# Altium PCB roach2.PcbDoc (part 31 of 39) (continued)
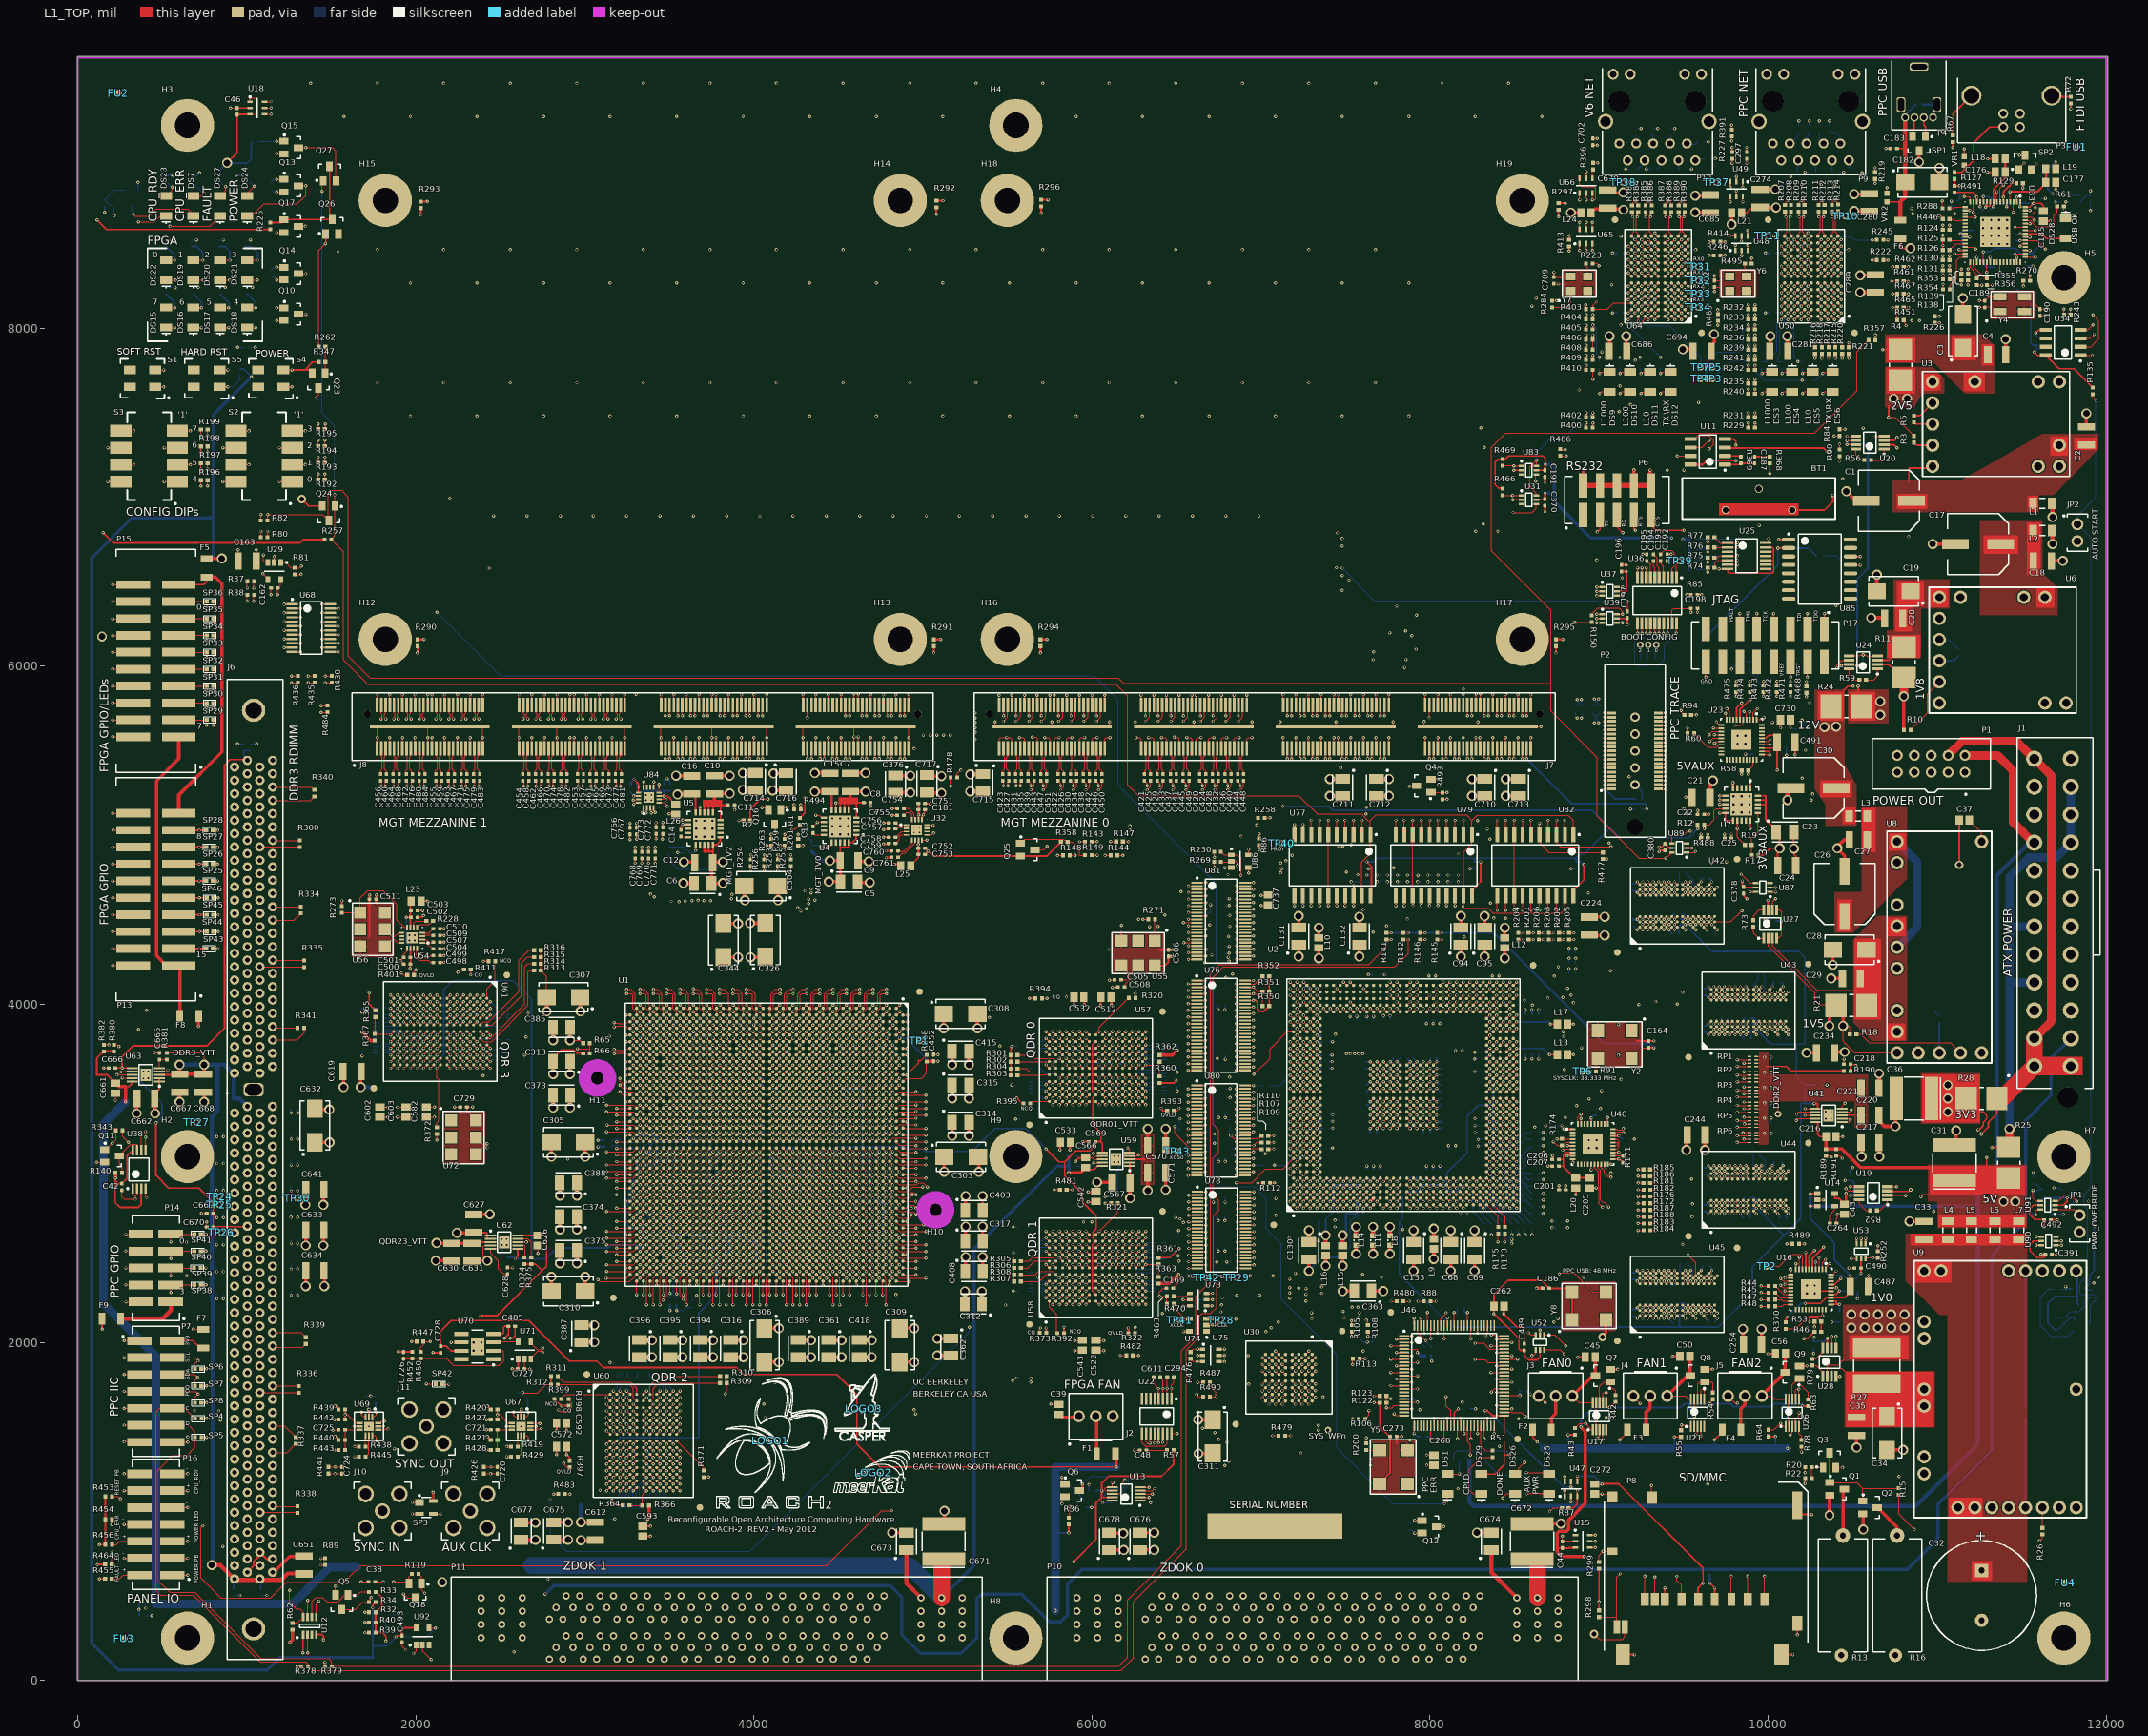
[diagram p0: L1_TOP view]
## Nets (pads, with @x,y where several pads share a name; then routed paths per layer and width w, separated by ;. In a path a pad name is that pad's centre, name@x,y a point inside that pad or via, vN(x,y) a via of type N, cw(c..) or ccw(c..) an arc to the next point about the centre after c; other vN are vias at no path point) (continued)
QDR3.Q0: U1.AY27 U61.P11 | length 2015.4
  L1_TOP w5: v1(1889.76,3622.05) U61.P11@1909.45,3641.73 ; v1(3325.87,2931.53) U1.AY27@3345.56,2951.22
  L9_R w3.8: v1(1889.76,3622.05) 1872.99,3605.28 1872.99,3278.99 2224.53,2927.45 3258.53,2927.45 3270.05,2915.93 3310.27,2915.93 v1(3325.87,2931.53)
QDR3.Q1: U1.AV26 U61.M10 | length 2056.2
  L1_TOP w5: v1(1968.5,3661.42) U61.M10@1988.19,3681.1 ; v1(3404.61,2970.9) U1.AV26@3424.3,2990.59
  L9_R w3.8: v1(1968.5,3661.42) 1947.99,3640.91 1947.99,3273.99 2259.55,2962.43 3115.43,2962.43 3122.56,2955.3 3135.49,2955.3 3147,2966.82 3194.54,2966.82 3206.06,2955.3 3389.01,2955.3 v1(3404.61,2970.9)
QDR3.Q2: U1.AW26 U61.L11 | length 1903.9
  L1_TOP w5: v1(2007.87,3622.05) U61.L11@2027.56,3641.73 ; v1(3365.24,2970.9) U1.AW26@3384.93,2990.59
  L9_R w3.8: v1(2007.87,3622.05) 2006.99,3621.16 2006.99,3262.99 2283.48,2986.5 3170.1,2986.5 3181.62,2974.99 3194.54,2974.99 3206.05,2986.5 3349.64,2986.5 v1(3365.24,2970.9)
QDR3.Q3: U1.BA25 U61.K11 | length 1756.5
  L1_TOP w5: v1(2047.24,3622.05) U61.K11@2066.93,3641.73 ; v2(3129.02,3010.27) 3286.5,3010.27 U1.BA25@3306.19,3029.96
  L9_R w3.8: v1(2047.24,3622.05) 2047.24,3287.74 2109.99,3224.99 2126.99,3224.99 2126.99,3223.99 2141.99,3208.99 2141.99,3188.99 2313.99,3016.99 3096.99,3016.99 3103.71,3010.27 v2(3129.02,3010.27)
QDR3.Q4: U1.AT25 U61.J10 | length 1957.1
  L1_TOP w5: v1(2086.61,3661.42) U61.J10@2106.3,3681.1 ; v1(3483.35,3010.27) U1.AT25@3503.04,3029.96
  L9_R w3.8: v1(2086.61,3661.42) 2106.99,3641.04 2106.99,3582.99 2128.99,3560.99 2128.99,3238.99 2333.99,3033.99 3102.99,3033.99 3111.11,3025.87 3210.11,3025.87 3224.99,3010.99 3278.99,3010.99 3293.87,3025.87 3450.44,3025.87 3466.04,3010.27 v1(3483.35,3010.27)
QDR3.Q5: U1.AT24 U61.F11 | length 1732.5
  L1_TOP w5: U61.F11@2224.41,3641.73 v1(2244.1,3622.05) ; v1(3483.35,3049.64) U1.AT24@3503.04,3069.33
  L9_R w3.8: v1(2244.1,3622.05) 2258.99,3607.15 2258.99,3264.99 2320.99,3202.99 2432.99,3202.99 2502.21,3133.77 3038.42,3133.77 3087.26,3084.93 3200.05,3084.93 3211.57,3073.41 3459.58,3073.41 v1(3483.35,3049.64)
QDR3.Q6: U1.AP23 U61.E11 | length 1699.5
  L1_TOP w5: U61.E11@2263.78,3641.73 v1(2283.47,3622.05) ; v1(3562.09,3089.01) U1.AP23@3581.78,3108.7
  L9_R w3.8: v1(2283.47,3622.05) 2283.47,3385.52 2506.99,3161.99 3038.99,3161.99 3061.99,3138.99 3097.99,3138.99 3104.99,3145.99 3155.99,3145.99 3174.99,3126.99 3215.99,3126.99 3238.37,3104.61 3538.32,3104.61 3553.92,3089.01 v1(3562.09,3089.01)
QDR3.Q7: U1.AM23 U61.C10 | length 1797
  L1_TOP w5: U61.C10@2342.52,3681.1 v1(2362.21,3661.42) ; v1(3640.83,3089.01) U1.AM23@3660.52,3108.7
  L9_R w3.8: v1(2362.21,3661.42) 2346.61,3645.82 2346.61,3579.38 2346.99,3578.99 2346.99,3404.74 2352.28,3399.45 2352.28,3386.53 2346.99,3381.24 2346.99,3378.99 2517.18,3208.81 3070.39,3208.81 3071.63,3210.06 3084.56,3210.06 3091.57,3203.04 3200.94,3203.04 3229.78,3174.2 3611.78,3174.2 3622.99,3162.99 3622.99,3106.86 v1(3640.83,3089.01)
QDR3.Q8: U1.AK24 U61.B11 | length 1841.6
  L1_TOP w5: U61.B11@2381.89,3641.73 v1(2401.58,3622.05) ; v1(3719.57,3049.64) U1.AK24@3739.26,3069.33
  L9_R w3.8: v1(2401.58,3622.05) 2418.99,3604.63 2418.99,3366.99 2542.99,3242.99 3096.99,3242.99 3109.09,3230.9 3136.9,3230.9 3148.41,3242.41 3272.57,3242.41 3292.26,3222.73 3686.67,3222.73 3695.8,3213.59 3695.8,3073.41 v1(3719.57,3049.64)
QDR3.Q9: U1.AU27 U61.P9 | length 2249.1
  L1_TOP w5: v1(1889.76,3700.79) U61.P9@1909.45,3720.47 ; v1(3443.98,2931.53) U1.AU27@3463.67,2951.22
  L9_R w3.8: v1(1889.76,3700.79) 1868.99,3680.02 1868.99,3614.99 1862.99,3608.99 1862.99,3267.99 2216.99,2913.99 3160.99,2913.99 3178.73,2896.25 3194.54,2896.25 3206.05,2907.76 3420.21,2907.76 v1(3443.98,2931.53)
QDR3.Q10: U1.AP26 U61.N9 | length 2296.6
  L1_TOP w5: v1(1929.13,3700.79) U61.N9@1948.82,3720.47 ; v1(3562.09,2970.9) U1.AP26@3581.78,2990.59
  L9_R w3.8: v1(1929.13,3700.79) 1907.99,3679.65 1907.99,3279.99 2240.99,2946.99 3169.99,2946.99 3181.36,2935.62 3205.62,2935.62 3217.13,2947.13 3469.13,2947.13 3477.3,2955.3 3529.18,2955.3 3544.78,2970.9 v1(3562.09,2970.9)
QDR3.Q11: U1.BA26 U61.L10 | length 1886.2
  L1_TOP w5: v1(2007.87,3661.42) U61.L10@2027.56,3681.1 ; v2(3129.02,2970.9) 3286.5,2970.9 U1.BA26@3306.19,2990.59
  L9_R w3.8: v1(2007.87,3661.42) 1986.99,3640.53 1986.99,3257.99 2267.99,2976.99 3093.99,2976.99 3100.08,2970.9 v2(3129.02,2970.9)
QDR3.Q12: U1.AL25 U61.K9 | length 2277.2
  L1_TOP w5: v1(2047.24,3700.79) U61.K9@2066.93,3720.47 ; v1(3680.2,3010.27) U1.AL25@3699.89,3029.96
  L9_R w3.8: v1(2047.24,3700.79) 2025.99,3679.53 2025.99,3273.99 2295.99,3003.99 3088.99,3003.99 3098.31,2994.67 3170.1,2994.67 3181.62,3006.19 3194.54,3006.19 3206.06,2994.67 3664.6,2994.67 v1(3680.2,3010.27)
QDR3.Q13: U1.AP25 U61.G9 | length 2025.9
  L1_TOP w5: U61.G9@2185.04,3720.47 v1(2204.73,3700.79) ; v1(3562.09,3010.27) U1.AP25@3581.78,3029.96
  L9_R w3.8: 2179.99,3588.99 2179.99,3585.99 ; v1(2204.73,3700.79) 2179.99,3676.05 2179.99,3585.99 ; v1(3562.09,3010.27) 3538.32,3034.04 3261.11,3034.04 3249.6,3045.56 3147,3045.56 3135.49,3034.04 3122.56,3034.04 3107.61,3048.99 2354.99,3048.99 2179.99,3223.99 2179.99,3585.99
QDR3.Q14: U1.AK22 U61.F10 | length 1855.5
  L1_TOP w5: U61.F10@2224.41,3681.1 v1(2244.1,3661.42) ; v1(3719.57,3128.38) U1.AK22@3739.26,3148.07
  L9_R w3.8: v1(2244.1,3661.42) 2264.68,3682 2286.74,3682 2307.24,3702.49 2307.24,3707.25 2316.37,3716.39 2329.3,3716.39 2344,3701.68 2344,3690 2352,3682 2444,3682 2844,3282 2956,3282 2975.9,3262.1 3135.49,3262.1 3147,3250.58 3238.79,3250.58 3246,3257.79 3268.22,3257.79 3295.12,3230.9 3689.53,3230.9 3703.97,3216.45 3703.97,3186.03 3719.57,3170.43 v1(3719.57,3128.38)
QDR3.Q15: U1.AJ22 U61.E9 | length 2007.7
  L1_TOP w5: U61.E9@2263.78,3720.47 v1(2283.47,3700.79) ; v1(3758.94,3128.38) U1.AJ22@3778.63,3148.07
  L9_R w3.8: v1(2283.47,3700.79) 2306.87,3724.19 2711.8,3724.19 2731.99,3703.99 2731.99,3546.99 2776.99,3501.99 2801.99,3501.99 2848.42,3455.56 2848.42,3353.56 2887.99,3313.99 3053.99,3313.99 3097.44,3270.54 3139.39,3270.54 3150.63,3281.78 3194.54,3281.78 3206.05,3270.27 3717.87,3270.27 3738.99,3249.14 3738.99,3148.34 v1(3758.94,3128.38)
QDR3.Q16: U1.AN23 U61.D9 | length 1811.4
  L1_TOP w5: U61.D9@2303.15,3720.47 v1(2322.84,3700.79) ; v1(3601.46,3089.01) U1.AN23@3621.15,3108.7
  L9_R w3.8: v1(2322.84,3700.79) 2303.99,3681.94 2303.99,3394.99 2510.99,3187.99 3045.99,3187.99 3056.99,3176.99 3106.99,3176.99 3118.99,3164.99 3202.99,3164.99 3211.99,3155.99 3564.99,3155.99 3582.99,3137.99 3582.99,3107.49 v1(3601.46,3089.01)
QDR3.Q17: U1.AM24 U61.B10 | length 1845.7
  L1_TOP w5: U61.B10@2381.89,3681.1 v1(2401.58,3661.42) ; v1(3640.83,3049.64) U1.AM24@3660.52,3069.33
  L9_R w3.8: v1(2401.58,3661.42) 2381.99,3641.83 2381.99,3374.99 2536.98,3220 3090.99,3220 3100.15,3210.84 3216.14,3210.84 3244.98,3182 3652.52,3182 3661.99,3172.53 3661.99,3070.8 v1(3640.83,3049.64)
QDR3.Q18: U1.AT17 U61.B2 | length 1764.4
  L1_TOP w5: U61.B2@2381.89,3996.06 v1(2401.58,4015.75) ; v1(3483.35,3364.61) U1.AT17@3503.04,3344.92
  L9_R w3.8: v1(2401.58,4015.75) 2417.18,4031.35 2523.64,4031.35 2531.99,4022.99 2988.99,4022.99 3045.99,3965.99 3045.99,3731.99 2988.2,3674.2 2988.2,3517.8 3030,3476 3137.98,3476 3165.99,3447.99 3260.16,3447.99 3280.41,3427.75 3420.21,3427.75 v1(3483.35,3364.61)
QDR3.Q19: U1.AV18 U61.D3 | length 1707.2
  L1_TOP w5: U61.D3@2303.15,3956.69 v1(2322.84,3976.38) ; v1(3404.61,3325.24) U1.AV18@3424.3,3305.55
  L9_R w3.8: v1(2322.84,3976.38) 2322.84,3974.15 2336.21,3960.78 2448.78,3960.78 2476.99,3988.99 2688.99,3988.99 2754.99,3922.99 2930.99,3922.99 2972.99,3880.99 2972.99,3713.43 2947.99,3688.43 2947.99,3603.52 2948.42,3603.09 2948.42,3573.32 2947.99,3572.89 2947.99,3499.99 3002.99,3444.99 3112.99,3444.99 3143.99,3413.99 3206.99,3413.99 3240.41,3380.58 3377.41,3380.58 3386.99,3370.99 3386.99,3342.86 v1(3404.61,3325.24)
QDR3.Q20: U1.AR19 U61.E3 | length 1921.9
  L1_TOP w5: U61.E3@2263.78,3956.69 v1(2283.47,3976.38) ; v1(3522.72,3285.87) U1.AR19@3542.41,3266.18
  L9_R w3.8: v1(2283.47,3976.38) 2307.24,3976.38 2307.24,3969.92 2316.37,3960.78 2325.18,3960.78 2332.98,3952.98 2452.01,3952.98 2475.41,3976.38 2682.61,3976.38 2749.99,3908.99 2919.99,3908.99 2948.42,3880.56 2948.42,3765.42 2877.56,3694.56 2877.56,3551.42 2997.99,3430.99 3091.99,3430.99 3113.42,3409.56 3113.42,3394.56 3119.61,3388.38 3136.38,3388.38 3147.89,3399.89 3203.68,3399.89 3254.56,3349.01 3369.81,3349.01 3389.01,3329.81 3389.01,3318.77 3398.15,3309.64 3498.95,3309.64 v1(3522.72,3285.87)
QDR3.Q21: U1.AR18 U61.F2 | length 1904.5
  L1_TOP w5: U61.F2@2224.41,3996.06 v1(2244.1,4015.75) ; v1(3522.72,3325.24) 3542.09,3305.87 U1.AR18@3542.41,3305.55
  L9_R w3.8: v1(2244.1,4015.75) 2267.5,3992.35 2469.32,3992.35 2473.96,3996.99 2878.99,3996.99 2997.99,3877.99 2997.99,3722.99 2962.99,3687.99 2962.99,3505.99 3009.99,3458.99 3116.99,3458.99 3147.99,3427.99 3214.99,3427.99 3254.61,3388.38 3409.2,3388.38 3420.58,3376.99 3420.58,3354.91 3434.29,3341.21 3506.75,3341.21 v1(3522.72,3325.24)
QDR3.Q22: U1.AW18 U61.G3 | length 1725.3
  L1_TOP w5: U61.G3@2185.04,3956.69 v1(2204.73,3976.38) ; v1(3365.24,3325.24) 3384.61,3305.87 U1.AW18@3384.93,3305.55
  L9_R w3.8: v1(2204.73,3976.38) 2222.99,3958.11 2222.99,3924.99 2233.99,3913.99 2554.99,3913.99 ; 2551.99,3913.99 2554.99,3913.99 ; v1(3365.24,3325.24) 3349.49,3340.99 3245.99,3340.99 3218.29,3368.69 3147,3368.69 3135.49,3380.21 3108.78,3380.21 3069.99,3418.99 2985.99,3418.99 2865.99,3538.99 2865.99,3709.99 2877.56,3721.56 2877.56,3881.42 2863.99,3894.99 2745.99,3894.99 2726.99,3913.99 2554.99,3913.99
QDR3.Q23: U1.AV19 U61.K3 | length 1902.4
  L1_TOP w5: v1(2047.24,3976.38) U61.K3@2066.93,3956.69 ; v1(3404.61,3285.87) 3423.98,3266.5 U1.AV19@3424.3,3266.18
  L9_R w3.8: v1(2047.24,3976.38) 2065.99,3957.63 2065.99,3878.99 2077.99,3866.99 2747.99,3866.99 2777.56,3837.42 2777.56,3573.32 2800.99,3549.89 2800.99,3548.99 2816.99,3548.99 2968.99,3396.99 3056.99,3396.99 3124.66,3329.32 3217.66,3329.32 3247.99,3298.99 3316.94,3298.99 3319.41,3301.47 3374.52,3301.47 3390.12,3285.87 v1(3404.61,3285.87)
QDR3.Q24: U1.AJ17 U61.L2 | length 2457.5
  L1_TOP w5: v1(2007.87,4015.75) U61.L2@2027.56,3996.06 ; v1(3758.94,3364.61) 3778.31,3345.24 U1.AJ17@3778.63,3344.92
  L9_R w3.8: v1(2007.87,4015.75) 2031.64,4039.52 2031.64,4061.58 2072.05,4101.99 3031.99,4101.99 3167.99,3965.99 3167.99,3931.99 3145.99,3909.99 3145.99,3854.99 3165.19,3835.79 3165.19,3766.19 3148.99,3749.99 3148.99,3691.99 3191.99,3648.99 3191.99,3554.99 3200.99,3545.99 3201.17,3545.99 3201.3,3545.86 3216.99,3545.86 3236.67,3526.17 3238.99,3526.17 3240.17,3524.99 3267.35,3524.99 3280.16,3537.81 3607.81,3537.81 3617.06,3528.55 3617.06,3524.99 3617.43,3524.62 3617.43,3512.39 3631.14,3498.69 3646.93,3498.69 3664.6,3481.01 3664.6,3476.25 3681.91,3458.95 3686.67,3458.95 3695.8,3449.81 3695.8,3445.05 3721.28,3419.58 3726.04,3419.58 3735.17,3410.44 3735.17,3388.38 v1(3758.94,3364.61)
QDR3.Q25: U1.AY19 U61.N3 | length 2008.9
  L1_TOP w5: v1(1929.13,3976.38) U61.N3@1948.82,3956.69 ; v1(3325.87,3285.87) 3345.24,3266.5 U1.AY19@3345.56,3266.18
  L9_R w3.8: v1(1929.13,3976.38) 1913.53,3960.78 1913.53,3881.45 1939.99,3854.99 2704.99,3854.99 2763.99,3795.99 2763.99,3561.99 2791.99,3533.99 2811.99,3533.99 2877.56,3468.42 2877.56,3373.32 2902.89,3347.99 3085.99,3347.99 3112.46,3321.52 3190.99,3321.52 3191.36,3321.15 3203.68,3321.15 3238.96,3285.87 v1(3325.87,3285.87)
QDR3.Q26: U1.BA19 U61.P3 | length 2046.1
  L1_TOP w5: v1(1889.76,3976.38) U61.P3@1909.45,3956.69 ; v2@3130.93,3284.14 3288.41,3284.14 ; U1.BA19@3308.09,3264.46 U1.BA19@3305.96,3266.59 ; 3288.41,3284.14 U1.BA19@3305.96,3266.59 ; 3288.41,3284.14 U1.BA19@3305.96,3266.59
  L9_R w3.8: v1(1889.76,3976.38) 1868.99,3955.61 1868.99,3878.99 1907.99,3839.99 2694.99,3839.99 2745.99,3788.99 2745.99,3556.99 2781.99,3520.99 2803.99,3520.99 2863.99,3460.99 2861.99,3458.99 2861.99,3366.99 2895.99,3332.99 3058.99,3332.99 3107.84,3284.14 v2@3130.93,3284.14
  other v2: 3130.93,3286.14
QDR3.Q27: U1.AT16 U61.B1 | length 1665.7
  L1_TOP w5: U61.B1@2381.89,4035.43 v1(2401.58,4055.12) ; v1(3483.35,3403.98) U1.AT16@3503.04,3384.29
  L9_R w3.8: v1(2401.58,4055.12) 2415.3,4055.12 2419.18,4058.99 3004.99,4058.99 3096.99,3966.99 3096.99,3756.99 3115.99,3737.99 3115.99,3662.99 3158,3620.98 3158,3495.98 3186.87,3467.12 3445.99,3467.12 3459.58,3453.53 3459.58,3427.75 v1(3483.35,3403.98)
QDR3.Q28: U1.AK18 U61.C2 | length 2079.9
  L1_TOP w5: U61.C2@2342.52,3996.06 v1(2362.21,4015.75) ; v1(3719.57,3325.24) U1.AK18@3739.26,3305.55
  L9_R w3.8: v1(2362.21,4015.75) 2377.81,4000.15 2466.09,4000.15 2475.93,4009.99 2983.99,4009.99 3033.99,3959.99 3033.99,3734.99 2974.99,3675.99 2974.99,3515.99 3022.98,3468 3127.98,3468 3156.99,3438.99 3236.4,3438.99 3236.67,3439.26 3254.72,3439.26 3275.41,3418.58 3318.41,3418.58 3319.41,3419.58 3414.99,3419.58 3428.38,3406.19 3428.38,3358.14 3437.52,3349.01 3695.8,3349.01 v1(3719.57,3325.24)
QDR3.Q29: U1.AK17 U61.E1 | length 2150.7
  L1_TOP w5: U61.E1@2263.78,4035.43 v1(2283.47,4055.12) ; v1(3719.57,3364.61) U1.AK17@3739.26,3344.92
  L9_R w3.8: v1(2283.47,4055.12) 2299.07,4039.52 2515.52,4039.52 2521.99,4045.99 2989.99,4045.99 3065.99,3969.99 3065.99,3732.99 2996,3663 2996,3522 3034.2,3483.8 3142.2,3483.8 3167.05,3458.95 3414.43,3458.95 3428.38,3444.99 3428.38,3434.6 3482.78,3380.21 3686.67,3380.21 3702.27,3364.61 v1(3719.57,3364.61)
QDR3.Q30: U1.AP16 U61.F1 | length 1934.7
  L1_TOP w5: U61.F1@2224.41,4035.43 v1(2244.1,4055.12) ; v1(3562.09,3403.98) U1.AP16@3581.78,3384.29
  L9_R w3.8: v1(2244.1,4055.12) 2254.64,4065.66 2254.64,4066.64 2259.99,4071.99 3015.99,4071.99 3112.99,3974.99 3112.99,3764.99 3127.99,3749.99 3127.99,3676.99 3166,3638.98 3166,3510.98 3178.67,3498.32 3529.18,3498.32 3538.32,3489.18 3538.32,3427.75 v1(3562.09,3403.98)
QDR3.Q31: U1.AT19 U61.J2 | length 2044.6
  L1_TOP w5: v1(2086.61,4015.75) U61.J2@2106.3,3996.06 ; v1(3483.35,3285.87) 3502.72,3266.5 U1.AT19@3503.04,3266.18
  L9_R w3.8: v1(2086.61,4015.75) 2097.33,4005.03 2097.96,4005.03 2102.21,4000.77 2102.21,3895.99 2116.17,3882.04 2552.04,3882.04 2552.99,3882.99 2853.99,3882.99 2867.99,3868.99 2867.99,3733.99 2855.99,3721.99 2855.99,3528.99 2976.99,3407.99 3066.42,3407.99 3113.42,3360.99 3113.42,3358.14 3122.56,3349.01 3135.49,3349.01 3146.47,3359.99 3181.09,3359.99 3181.62,3360.52 3206.46,3360.52 3257.35,3309.64 3371.7,3309.64 3372.06,3309.99 3384.99,3309.99 3393.52,3301.47 3450.44,3301.47 3466.04,3285.87 v1(3483.35,3285.87)
QDR3.Q32: U1.AN16 U61.K1 | length 2182.5
  L1_TOP w5: v1(2047.24,4055.12) U61.K1@2066.93,4035.43 ; v1(3601.46,3403.98) U1.AN16@3621.15,3384.29
  L9_R w3.8: v1(2047.24,4055.12) 2058.21,4066.09 2058.21,4066.21 2075.99,4083.99 3026.99,4083.99 3125.99,3984.99 3125.99,3769.99 3138.99,3756.99 3138.99,3682.99 3174,3647.98 3174,3524.98 3192.5,3506.49 3562.99,3506.49 3585.86,3483.61 3585.86,3436.88 3601.46,3421.28 v1(3601.46,3403.98)
QDR3.Q33: U1.AL14 U61.L1 | length 2263.6
  L1_TOP w5: v1(2007.87,4055.12) U61.L1@2027.56,4035.43 ; v1(3680.2,3482.72) 3699.57,3463.35 U1.AL14@3699.89,3463.03
  L9_R w3.8: v1(2007.87,4055.12) 2067.75,4114.99 3036.99,4114.99 3178.99,3972.99 3178.99,3924.99 3157.39,3903.39 3157.39,3858.59 3172.99,3842.99 3172.99,3755.99 3157.67,3740.67 3157.67,3734.99 3157.49,3734.82 3157.49,3701.99 3181.99,3677.5 3182.49,3677.5 3204.99,3654.99 3204.99,3636.99 3227.53,3614.45 3227.53,3574.68 3241.22,3560.99 3262.99,3560.99 3278.13,3545.86 3617.13,3545.86 3625.23,3537.75 3625.23,3515.62 3634.37,3506.49 3656.43,3506.49 v1(3680.2,3482.72)
QDR3.Q34: U1.AJ15 U61.M2 | length 2439
  L1_TOP w5: v1(1968.5,4015.75) U61.M2@1988.19,3996.06 ; v1(3758.94,3443.35) 3778.31,3423.98 U1.AJ15@3778.63,3423.66
  L9_R w3.8: v1(1968.5,4015.75) 1992.27,4039.52 1992.27,4088.27 2028.99,4124.99 3050.99,4124.99 3216.99,3958.99 3216.99,3646.99 3227.87,3636.11 3253.84,3636.11 3258.73,3631.22 3258.73,3590.25 3271.93,3577.06 3647.3,3577.06 3656.43,3567.92 3656.43,3523.79 3681.91,3498.32 3686.67,3498.32 3695.8,3489.18 3695.8,3482.18 3714.99,3462.99 3739.3,3462.99 v1(3758.94,3443.35)
QDR3.Q35: U1.AK14 U61.P1 | length 2462.8
  L1_TOP w5: v1(1889.76,4055.12) U61.P1@1909.45,4035.43 ; v1@3720.09,3485.46 3720.09,3483.24 v1(3719.57,3482.72) 3738.94,3463.35 U1.AK14@3739.26,3463.03
  L9_R w3.8: v1(1889.76,4055.12) 1975.63,4140.99 3096.99,4140.99 3227.53,4010.45 3227.53,3653.42 3236.67,3644.28 3256.7,3644.28 3270.9,3630.08 3270.9,3594.37 3280.04,3585.23 3682.99,3585.23 3699.06,3569.16 3699.06,3506.49 v1@3720.09,3485.46
QDR3.RDN: RP26.4 U1.AU21 U61.A8 | length 1900
  L1_TOP w5: U61.A8@2421.26,3759.84 v1(2440.95,3740.16) ; v1(3443.98,3207.13) 3463.35,3187.76 U1.AU21@3463.67,3187.44
  L5_S w3.8: v1(2440.95,3740.16) 2455.83,3740.16 2587.65,3608.34 ccw(c2590.76,3611.45) 2593.87,3608.34 2604.13,3618.6 ; v1(3443.98,3207.13) 3443.98,3224.43 3459.58,3240.03 3459.58,3331.7 3450.44,3340.84 3206.84,3340.84 3195.32,3329.32 3180.66,3329.32 3168.78,3341.21 3114.75,3341.21 3103.96,3351.99 2892.99,3351.99 2877.56,3367.42 2877.56,3406.09 2770.67,3512.99 2682.99,3512.99 2637.43,3558.56 cw(c2640.54,3561.67) 2637.43,3564.78 2647.69,3575.04 ccw(c2644.58,3578.15) 2647.69,3581.26 ccw(c2644.58,3578.15) 2641.47,3581.26 2628.09,3567.89 2602.92,3542.72 ; 2571.81,3567.61 cw(c2574.92,3570.72) 2571.81,3573.83 ; 2571.81,3567.61 cw(c2574.92,3570.72) 2571.81,3573.83 ; 2571.81,3567.61 ccw(c2574.92,3570.72) 2578.03,3567.61 ; 2571.81,3567.61 ccw(c2574.92,3570.72) 2578.03,3567.61 ; 2571.81,3573.83 2596.98,3599 2610.36,3612.38 ccw(c2607.25,3615.49) 2610.36,3618.6 ; 2578.03,3567.61 2603.2,3592.78 2616.58,3606.15 cw(c2619.69,3603.04) 2622.8,3606.15 ; 2596.7,3542.72 cw(c2599.81,3545.83) 2596.7,3548.94 2635.25,3587.49 ccw(c2632.14,3590.6) 2635.25,3593.71 ; 2596.7,3542.72 ccw(c2599.81,3545.83) 2602.92,3542.72 ; 2596.7,3542.72 ccw(c2599.81,3545.83) 2602.92,3542.72 ; 2604.13,3618.6 cw(c2607.25,3615.49) 2610.36,3618.6 ; 2604.13,3618.6 cw(c2607.25,3615.49) 2610.36,3618.6 ; 2622.8,3599.93 ccw(c2619.69,3603.04) 2622.8,3606.15 ; 2622.8,3599.93 ccw(c2619.69,3603.04) 2622.8,3606.15 ; 2622.8,3599.93 2609.43,3586.56 2584.25,3561.38 ccw(c2587.37,3558.27) 2584.25,3555.16 ccw(c2587.37,3558.27) 2590.48,3555.16 2615.65,3580.33 2629.02,3593.71 ; 2629.02,3593.71 cw(c2632.14,3590.6) 2635.25,3593.71 ; 2629.02,3593.71 cw(c2632.14,3590.6) 2635.25,3593.71
  L16_BOT w5: v1(2440.95,3740.16) 2448.58,3732.52 RP26.4@2493.31,3732.52
QDR3.WRN: RP22.2 U1.AK20 U61.A4 | length 1915
  L1_TOP w5: U61.A4@2421.26,3917.32 v1(2440.95,3937.01) ; v1(3719.57,3246.5) U1.AK20@3739.26,3226.81
  L5_S w3.8: v1(2440.95,3937.01) 2442.93,3938.99 2539.99,3938.99 ; 2537.99,3938.99 2539.99,3938.99 ; v1(3719.57,3246.5) 3719.57,3263.8 3696.17,3287.2 3696.17,3324.62 3695.8,3324.99 3695.8,3607.29 3686.3,3616.8 3276.81,3616.8 3257.5,3636.11 3133.89,3636.11 3122.81,3647.19 3080.76,3647.19 3077.48,3650.48 3067.51,3650.48 2993.99,3723.99 2993.99,3789.99 2940.99,3842.99 2675.99,3842.99 2579.99,3938.99 2539.99,3938.99
  L16_BOT w5: v1(2440.95,3937.01) 2462.01,3937.01 2468.15,3943.15 RP22.2@2493.31,3943.15
QDR3_TCK: U61.R2 U79.18 | length 7925.5
  L1_TOP w5: v1(1850.39,4015.75) U61.R2@1870.08,3996.06 ; v3(8147.99,4583.31) U79.18@8147.99,4641.89
  L9_R w3.8: v2(7622.99,5166.99) 7594.99,5138.99 7594.99,5120.99 7616.99,5098.99 7616.99,5024.99 7822.99,4818.99 8046.99,4818.99 8072.99,4792.99 8072.99,4658.31 v3(8147.99,4583.31)
  L14_S w3.8: v1(1850.39,4015.75) 1802.99,4063.15 1802.99,4550.99 2724.99,5472.99 7012.99,5472.99 7184.99,5300.99 7282.99,5300.99 7416.99,5166.99 v2(7622.99,5166.99)
QDR3_TDI: R483.2 U61.R11 | length 3490
  L1_TOP w5: v1(1850.39,3622.05) U61.R11@1870.08,3641.73 ; v2(2814.99,1102.99) R483.2@2843.31,1102.99
  L8_R w3.8: v1(1850.39,3622.05) 1850.39,2968.39 1704.99,2822.99 1704.99,1562.99 1834.99,1432.99 1834.99,1410.99 1872.99,1372.99 v2(1872.99,1370.99)
  L12_S w3.8: v2(1872.99,1370.99) 1890.99,1370.99 2092.99,1168.99 2484.99,1168.99 2550.99,1102.99 v2(2814.99,1102.99)
QDR3_TDO: R484.1 U61.R1 | length 1909.6
  L1_TOP w5: v2(1439.3,5727.71) 1439.9,5728.31 R484.1@1477.99,5728.31 ; v1(1850.39,4055.12) U61.R1@1870.08,4035.43
  L9_R w3.8: v2(1439.3,5727.71) 1439.3,4466.21 v1(1850.39,4055.12)
QDR3_TMS: U61.R10 U82.12 | length 8414.5
  L1_TOP w5: v1(1850.39,3661.42) U61.R10@1870.08,3681.1 ; v2(8447.99,4557.56) U82.12@8447.99,4641.89
  L9_R w3.8: v2(7620.99,5126.99) 7643.96,5104.02 7654.45,5104.02 7663.59,5094.89 7663.59,5084.39 7848.99,4898.99 8090.99,4898.99 8270.99,4718.99 8348.99,4718.99 8447.99,4619.99 v2(8447.99,4557.56)
  L14_S w3.8: v1(1850.39,3661.42) 1870.99,3682.02 1870.99,4064.99 1848.99,4086.99 1848.99,4554.99 2742.99,5448.99 3457.93,5448.99 3469.82,5437.1 4897.74,5437.1 4909.63,5448.99 6998.99,5448.99 7320.99,5126.99 v2(7620.99,5126.99)
QDR23_VREF: C368.2 C382.2 C384.2 C402.2 C405.2 C629.2 U1.AC39 U1.AD35 U1.AH36 U1.AH38 U1.AL16 U1.AM18 U1.AY23 U1.AY25 U1.BA21 U1.BA27 U60.H2 U60.H10 U61.H2 U61.H10 U62.6 | length 8317.8
  L1_TOP w5: v1(2125.98,3661.42) U61.H10@2145.67,3681.1 ; v1(2125.98,4015.75) U61.H2@2145.67,3996.06 ; v1(3169.29,1397.64) U60.H2@3188.98,1417.32 ; v1(3286.5,2931.53) U1.BA27@3306.19,2951.22 ; v1(3286.5,3207.13) 3305.87,3187.76 U1.BA21@3306.19,3187.44 ; v1(3325.87,3010.27) U1.AY25@3345.56,3029.96 ; v1(3325.87,3089.01) U1.AY23@3345.56,3108.7 ; U60.H10@3503.94,1417.32 v1(3523.62,1397.64) ; v1(3640.83,3325.24) U1.AM18@3660.2,3305.87 ; v1(3680.2,3403.98) 3699.57,3384.61 U1.AL16@3699.89,3384.29 ; v1(3798.31,2498.46) U1.AH38@3818,2518.15 ; v1(3798.31,2577.2) U1.AH36@3818,2596.89 ; v1(3955.79,2616.57) U1.AD35@3975.48,2636.26 ; v1(3995.16,2459.09) U1.AC39@4014.85,2478.78
  L1_TOP w10: v2(2588.99,2493.99) 2603.7,2508.7 U62.6@2603.7,2553.62
  L16_BOT w5: v1(2125.98,4015.75) 2164.95,4015.75 2166.2,4016.99 ; 3522.99,1434.99 3523.62,1434.36 v1(3523.62,1397.64)
  L16_BOT w10: v1(2125.98,3661.42) 2166.2,3701.63 2166.2,4016.99 2166.2,4090.2 2214.99,4138.99 2574.99,4138.99 2684.99,4028.99 2684.99,2493.99 ; C629.2@2542.68,2502.99 2579.99,2502.99 v2(2588.99,2493.99) 2684.99,2493.99 ; v1(3169.29,1397.64) 3208.8,1437.15 3436.87,1437.15 3439.02,1434.99 3522.99,1434.99 3674.99,1434.99 3674.99,1700 3674.99,2174.99 3759.93,2259.93 3759.93,2289.67 3779.61,2309.36 3779.61,2479.76 v1(3798.31,2498.46) ; v1(3286.5,3207.13) 3305.2,3225.83 3412.36,3225.83 3423.31,3214.87 3423.31,3199.38 ; C368.2@3306.1,2951.77 3306.59,2951.77 C368.2@3308.07,2951.77 ; C368.2@3306.59,2951.26 3287.66,2951.26 3287.4,2950.99 ; C405.2@3661.42,3425.2 3681.1,3405.51 3681.1,3403.98 3681.1,3402.9 3661.5,3383.31 3661.5,3345.91 v1(3640.83,3325.24) 3620.16,3304.57 3620.16,3199.38 3607.78,3186.99 3435.7,3186.99 3423.31,3199.38 ; v1@3799.21,2500 C382.2@3817.9,2518.68 3818.9,2519.68 3819.45,2519.13 3845.43,2519.13 3856.38,2530.09 3856.38,2602.99 ; v1(3995.16,2459.09) 4013.86,2477.79 4013.86,2479.31 4013.86,2584.95 4002.91,2595.9 3976.46,2595.9 v1(3955.79,2616.57) 3937.09,2635.27 3869.31,2635.27 3856.38,2622.35 3856.38,2602.99 ; 2684.99,2493.99 2767.99,2493.99 2832.5,2558.5 3136.77,2558.5 3154.49,2576.22 3300.41,2576.22 3318.13,2558.5 3344.99,2558.5 3344.99,2674.99 ; 3287.4,2950.99 3287.4,2971.8 v1(3325.87,3010.27) 3325.87,3023.2 3307.17,3041.9 3307.17,3068.34 3325.87,3087.04 v1(3325.87,3089.01) C402.2@3345.96,3109.24 3346.54,3109.68 3372.99,3109.68 3383.94,3120.64 3383.94,3160.01 3423.31,3199.38 ; 3287.4,2950.99 3287.4,2933.07 3286.18,2931.85 3261.83,2907.5 3261.83,2825.36 3243.13,2806.66 3243.13,2754.37 3243.13,2704.85 3272.99,2674.99 3344.99,2674.99 ; 3344.99,2674.99 3344.99,2715.07 3364.92,2735 3384.91,2754.99 3462.99,2754.99 3492.99,2754.99 3503.94,2744.05 3503.94,2636.99 3505.65,2635.27 3687.95,2635.27 3698.9,2624.32 3698.9,2556.62 3698.99,2556.53 3777.64,2556.53 v1(3798.31,2577.2) 3818.98,2597.87 3851.27,2597.87 3856.38,2602.99
QDR23_VTT: C612.2 C613.2 C614.2 C615.2 C616.2 C617.2 C618.2 C619.2 C620.2 C621.2 C622.2 C623.2 C624.2 C625.2 C628.2 C630.2 C631.2 R278.2 R279.2 R280.2 R281.2 R282.2 R283.2 RP17.5 RP17.6 RP17.7 RP17.8 RP18.5 RP18.6 RP18.7 RP18.8 RP19.5 RP19.6 RP19.7 RP19.8 RP20.5 RP20.6 RP20.7 RP20.8 RP21.5 RP21.6 RP21.7 RP21.8 RP22.5 RP22.6 RP22.7 RP22.8 RP23.5 RP23.6 RP23.7 RP23.8 RP24.5 RP24.6 RP24.7 RP24.8 RP25.5 RP25.6 RP25.7 RP25.8 RP26.5 RP26.6 RP26.7 RP26.8 U62.3 U62.5 | length 2205.3
  L1_TOP w5: U62.3@2442.28,2592.99 2477.99,2592.99 2482,2588.98 2482,2559 2478,2555 2443.66,2555 U62.5@2442.28,2553.62 2442.28,2525.72 2488,2480 2488,2437 2521.69,2403.31 C628.2@2542.99,2403.31
  L1_TOP w10: C631.2@2332.99,2586.14 2339.84,2592.99 U62.3@2442.28,2592.99
  L1_TOP w20: v5(1674.99,3509.4) C619.2@1674.99,3594.99 ; v5@2142.99,2587.99 2144.84,2586.14 C630.2@2212.99,2586.14 C631.2@2332.99,2586.14 ; v5(2977.4,936.14) C612.2@3062.99,936.14
  L16_BOT w5: 1746.14,3713.46 RP20.5@1773.31,3713.46 ; 1746.14,3733.15 RP20.6@1773.31,3733.15 ; 1746.14,3752.83 RP20.7@1773.31,3752.83 ; 1746.14,3772.52 RP20.8@1773.31,3772.52 ; 1746.14,3802.99 R279.2@1773.31,3802.99 ; 1746.14,3833.46 RP25.5@1773.31,3833.46 ; 1746.14,3853.15 RP25.6@1773.31,3853.15 ; 1746.14,3872.83 RP25.7@1773.31,3872.83 ; 1746.14,3892.52 RP25.8@1773.31,3892.52 ; 1746.14,3923.46 RP21.5@1773.31,3923.46 ; 1746.14,3943.15 RP21.6@1773.31,3943.15 ; 1746.14,3962.83 RP21.7@1773.31,3962.83 ; 1746.14,3982.52 RP21.8@1773.31,3982.52 ; RP26.8@2532.68,3673.46 2559.84,3673.46 ; RP26.7@2532.68,3693.15 2559.84,3693.15 ; RP26.6@2532.68,3712.83 2559.84,3712.83 ; RP26.5@2532.68,3732.52 2559.84,3732.52 ; R281.2@2532.68,3792.99 2559.84,3792.99 ; R283.2@2532.68,3872.99 2559.84,3872.99 ; RP22.8@2532.68,3923.46 2559.84,3923.46 ; RP22.7@2532.68,3943.15 2559.84,3943.15 ; RP22.6@2532.68,3962.83 2559.84,3962.83 ; RP22.5@2532.68,3982.52 2559.84,3982.52 ; RP19.5@3193.46,1792.68 3193.46,1819.84 ; 3203.46,1016.14 RP18.8@3203.46,1043.31 ; RP19.6@3213.15,1792.68 3213.15,1819.84 ; 3223.15,1016.14 RP18.7@3223.15,1043.31 ; RP19.7@3232.28,1791.34 3232.28,1818.5 ; 3242.83,1016.14 RP18.6@3242.83,1043.31 ; RP19.8@3252.52,1792.68 3252.52,1819.84 ; 3262.52,1016.14 RP18.5@3262.52,1043.31 ; 3283.46,1016.14 RP23.8@3283.46,1043.31 ; 3303.15,1016.14 RP23.7@3303.15,1043.31 ; R282.2@3312.99,1792.68 3312.99,1819.84 ; 3322.83,1016.14 RP23.6@3322.83,1043.31 ; 3342.52,1016.14 RP23.5@3342.52,1043.31 ; 3382.99,1016.14 R278.2@3382.99,1043.31 ; R280.2@3382.99,1792.68 3382.99,1819.84 ; 3423.46,1016.14 RP17.8@3423.46,1043.31 ; 3443.15,1016.14 RP17.7@3443.15,1043.31 ; RP24.5@3443.46,1792.68 3443.46,1819.84 ; 3462.83,1016.14 RP17.6@3462.83,1043.31 ; RP24.6@3463.15,1792.68 3463.15,1819.84 ; 3482.52,1016.14 RP17.5@3482.52,1043.31 ; RP24.7@3482.83,1792.68 3482.83,1819.84 ; RP24.8@3502.52,1792.68 3502.52,1819.84
  L16_BOT w20: v5(1674.99,3509.4) 1738.4,3509.4
  L16_BOT w25: v5(2977.4,936.14) 2977.4,1036.58
  other v5: 2122.99,2587.99